# Altium PCB STB_LightBoard.PcbDoc (part 17 of 31) (continued)
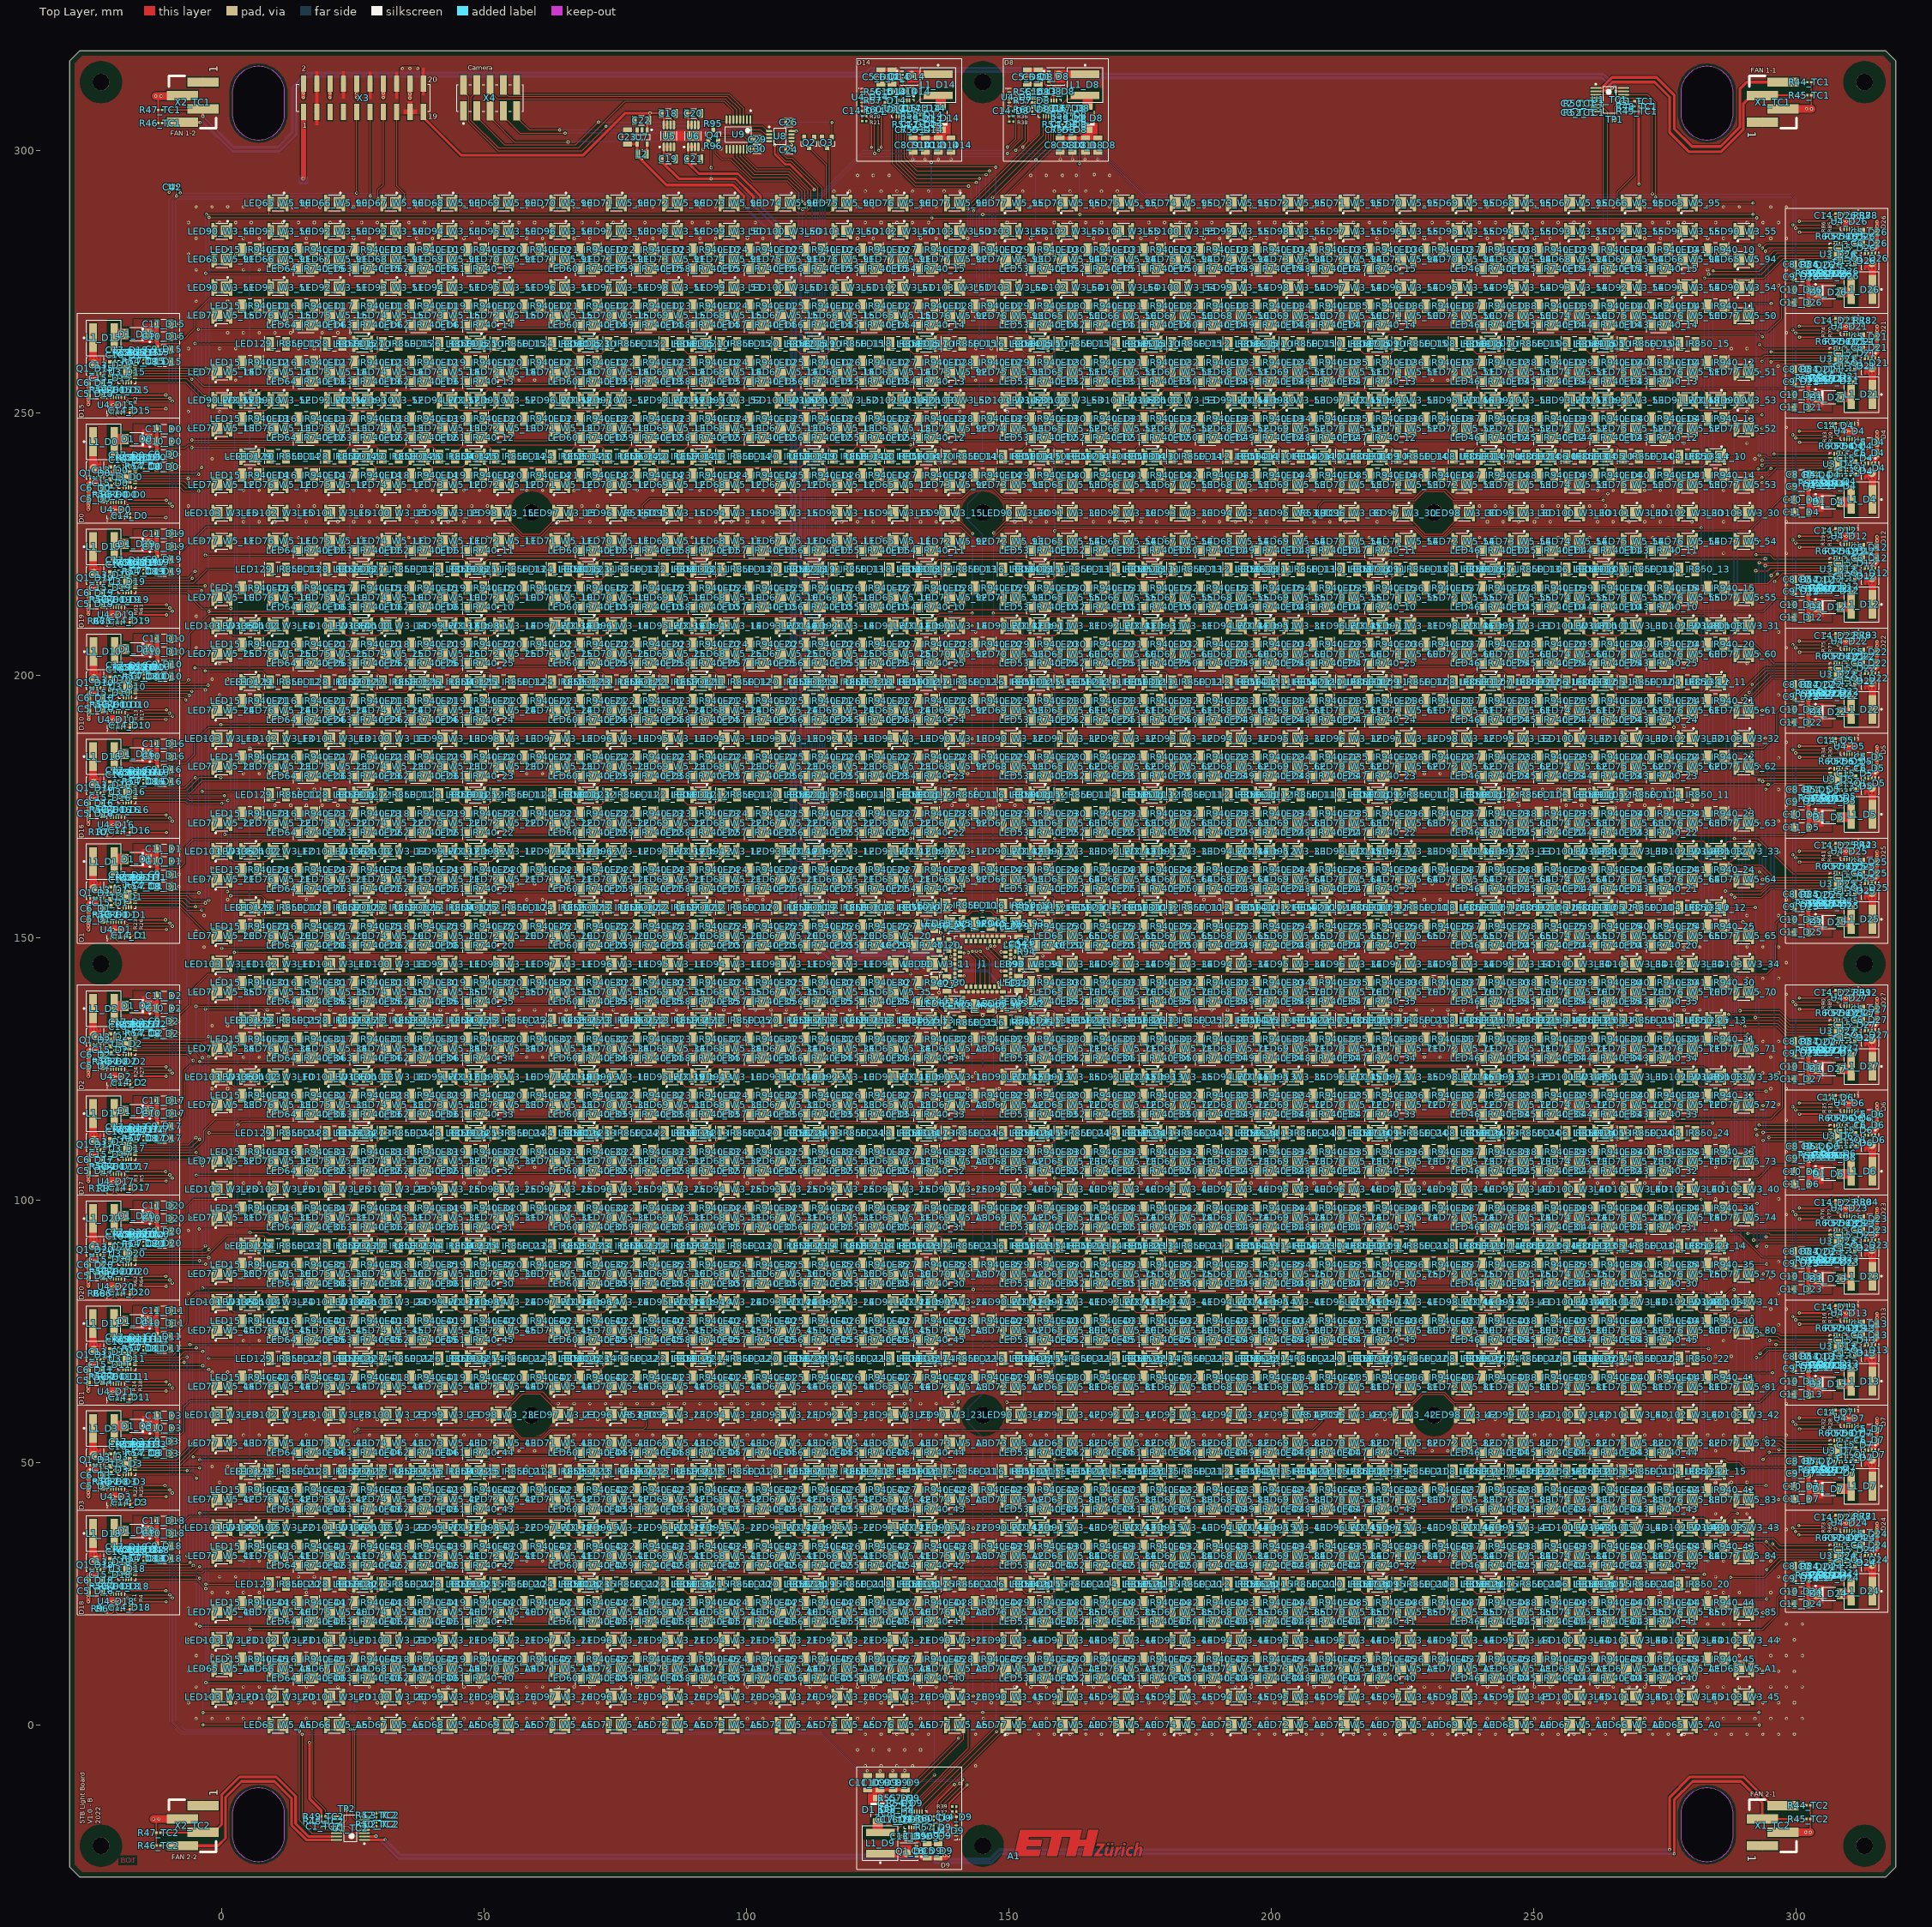
[diagram p0: Top Layer view]
## Nets (pads, with @x,y where several pads share a name; then routed paths per layer and width w, separated by ;. In a path a pad name is that pad's centre, name@x,y a point inside that pad or via, vN(x,y) a via of type N, cw(c..) or ccw(c..) an arc to the next point about the centre after c; other vN are vias at no path point) (continued)
  Top Layer w0.2: R55_D23.1@303.9,88.9 C7_D23.1@303.9,89.81 303.905,89.805 304.895,89.805 R54_D23.1@304.9,89.8 ; C12_D23.2@304.9,88.89 R54_D23.1@304.9,89.8 ; U3_D23.16@306.5,90.95 306.481,90.931 306.04,90.931 305.233,90.123 305.223,90.123 R54_D23.1@304.9,89.8
NetC7_D23_2: C7_D23.2 C8_D23.1 C9_D23.1 C10_D23.1 C11_D23.1 D1_D23.1 LED15_IR940_30.2 LED15_IR940_31.2 LED15_IR940_32.2 LED15_IR940_33.2 LED15_IR940_34.2 LED15_IR940_35.2 R54_D23.2 | length 371.5
  Top Layer w0.2: LED15_IR940_35.2@3.87,87.728 v1(5.37,87.728) ; LED15_IR940_34.2@3.87,98.469 v1(5.37,98.469) ; LED15_IR940_33.2@3.87,109.21 v1(5.37,109.21) ; LED15_IR940_32.2@3.87,119.951 v1(5.37,119.951) ; LED15_IR940_31.2@3.87,130.692 v1(5.37,130.692) ; LED15_IR940_30.2@3.87,141.433 v1(5.37,141.433) ; v1(5.4,93.796) 8.804,93.796 9.033,93.567 289.133,93.567 293.555,89.145 302.145,89.145 ; C9_D23.1@302.364,87.929 C9_D23.1@302.575,88.139 ; C8_D23.1@302.364,90.247 302.364,90.424 C8_D23.1@302.541,90.6 ; C8_D23.1@302.541,90.6 R54_D23.2@304.9,90.6 C8_D23.1@302.541,90.6
  Bottom Layer w0.2: v1(5.37,87.728) 5.385,87.743 5.385,93.781 v1(5.4,93.796) ; v1(5.37,141.433) v1(5.37,130.692) v1(5.37,119.951) v1(5.37,109.21) v1(5.37,98.469) ; v1(5.37,98.469) 5.37,93.796 v1(5.37,98.469)
NetC7_D24_1: C7_D24.1 C12_D24.2 R54_D24.1 R55_D24.1 U3_D24.16 | length 4.9
  Top Layer w0.2: R55_D24.1@303.9,28.9 C7_D24.1@303.9,29.81 303.905,29.805 304.895,29.805 R54_D24.1@304.9,29.8 ; C12_D24.2@304.9,28.89 R54_D24.1@304.9,29.8 ; U3_D24.16@306.5,30.95 306.481,30.931 306.078,30.931 305.072,29.925 305.025,29.925 R54_D24.1@304.9,29.8
NetC7_D24_2: C7_D24.2 C8_D24.1 C9_D24.1 C10_D24.1 C11_D24.1 D1_D24.1 LED15_IR940_40.2 LED15_IR940_41.2 LED15_IR940_42.2 LED15_IR940_43.2 LED15_IR940_44.2 LED15_IR940_45.2 R54_D24.2 | length 392.3
  Top Layer w0.2: LED15_IR940_45.2@3.87,12.541 v1(5.37,12.541) ; LED15_IR940_44.2@3.87,23.282 v1(5.37,23.282) ; LED15_IR940_43.2@3.87,34.023 v1(5.37,34.023) ; LED15_IR940_42.2@3.87,44.764 v1(5.37,44.764) ; LED15_IR940_41.2@3.87,66.246 v1(5.37,66.246) ; LED15_IR940_40.2@3.87,76.987 v1(5.37,76.987) ; v1(5.4,18.2) 293.6,18.2 296.5,21.1 296.5,24.3 298.848,26.648 302.29,26.648 ; C11_D24.1@302.364,22.659 C11_D24.1@302.364,23.047 ; C9_D24.1@302.364,27.929 C9_D24.1@302.575,28.14 ; C8_D24.1@302.364,30.247 302.364,30.424 C8_D24.1@302.541,30.6 ; C8_D24.1@302.541,30.6 R54_D24.2@304.9,30.6 C8_D24.1@302.541,30.6
  Bottom Layer w0.2: v1(5.37,76.987) v1(5.37,66.246) v1(5.37,44.764) v1(5.37,34.023) v1(5.37,23.282) ; v1(5.37,23.282) v1(5.37,12.541) v1(5.37,23.282)
NetC7_D25_1: C7_D25.1 C12_D25.2 R54_D25.1 R55_D25.1 U3_D25.16 | length 4.9
  Top Layer w0.2: R55_D25.1@303.9,156.9 C7_D25.1@303.9,157.81 303.902,157.808 304.903,157.808 R54_D25.1@304.905,157.806 ; C12_D25.2@304.9,156.89 304.903,156.893 304.903,157.681 304.903,157.803 R54_D25.1@304.905,157.806 ; U3_D25.16@306.5,158.95 306.481,158.931 306.074,158.931 305.074,157.931 305.03,157.931 R54_D25.1@304.905,157.806
NetC7_D25_2: C7_D25.2 C8_D25.1 C9_D25.1 C10_D25.1 C11_D25.1 D1_D25.1 LED135_b_10.2 LED135_b_11.2 LED135_b_12.2 LED135_b_13.2 LED135_b_14.2 LED135_b_15.2 R54_D25.2 | length 541.4
  Top Layer w0.2: v1(2.4,147.2) 2.472,147.272 113.248,147.272 113.483,147.037 v1(113.567,147.037) ; v1(2.454,37.6) 3.66,37.6 LED135_b_15.2@3.67,37.59 ; v1(2.454,80.6) 4.21,80.6 LED135_b_14.2@4.26,80.55 ; v1(2.454,123.6) 4.17,123.6 LED135_b_13.2@4.26,123.51 ; v1(2.454,166.5) 3.64,166.5 LED135_b_12.2@3.67,166.47 ; v1(2.454,209.4) 4.23,209.4 LED135_b_11.2@4.26,209.43 ; v1(2.454,252.4) 3.66,252.4 LED135_b_10.2@3.67,252.39 ; v1(151.4,140.9) 152.3,140.9 153.052,141.652 153.052,142.648 153.505,143.1 294.4,143.1 296.088,144.788 296.088,148.749 296.2,148.861 296.2,152.8 298.114,154.714 302.402,154.714 ; C11_D25.1@302.364,150.659 C11_D25.1@302.364,151.047 ; C8_D25.1@302.364,158.247 302.364,158.43 302.541,158.606 R54_D25.2@304.905,158.606
  Bottom Layer w0.2: v1(2.454,37.6) v1(2.454,80.6) v1(2.454,123.6) v1(2.454,166.5) v1(2.454,209.4) v1(2.454,252.4) ; v1(113.567,147.037) 113.663,147.037 115.6,145.1 135.674,145.1 137.513,143.261 137.513,142.939 137.5,142.926 137.5,142.214 138.828,140.885 151.385,140.885 v1(151.4,140.9)
NetC7_D26_1: C7_D26.1 C12_D26.2 R54_D26.1 R55_D26.1 U3_D26.16 | length 5.1
  Top Layer w0.2: R55_D26.1@303.9,276.9 C7_D26.1@303.9,277.81 303.905,277.805 304.895,277.805 R54_D26.1@304.9,277.8 ; C12_D26.2@304.9,276.642 C12_D26.2@304.9,276.89 R54_D26.1@304.9,277.8 ; U3_D26.16@306.5,278.95 306.481,278.931 306.045,278.931 305.039,277.925 305.025,277.925 R54_D26.1@304.9,277.8
NetC7_D26_2: C7_D26.2 C8_D26.1 C9_D26.1 C10_D26.1 C11_D26.1 D1_D26.1 LED78_g_10.2 LED78_g_11.2 LED78_g_12.2 LED78_g_13.2 LED78_g_14.2 LED78_g_15.2 R54_D26.2 | length 536.6
  Top Layer w0.2: v1(24.47,26.85) LED78_g_15.2@25.152,26.85 LED78_g_15.2@25.742,26.85 ; v1(24.47,69.81) LED78_g_14.2@25.152,69.81 LED78_g_14.2@25.742,69.81 ; v1(24.47,112.77) LED78_g_13.2@25.152,112.77 LED78_g_13.2@25.742,112.77 ; v1(24.47,177.21) LED78_g_12.2@25.152,177.21 LED78_g_12.2@25.742,177.21 ; v1(24.47,220.17) LED78_g_11.2@25.152,220.17 LED78_g_11.2@25.742,220.17 ; v1(24.47,263.13) LED78_g_10.2@25.152,263.13 LED78_g_10.2@25.742,263.13 ; v1(24.488,265.218) 24.597,265.218 24.802,265.423 276.811,265.423 276.821,265.433 294.634,265.433 297.2,267.998 297.2,273.8 298.2,274.8 302.2,274.8 ; C11_D26.1@302.364,270.659 C11_D26.1@302.364,271.047 ; C8_D26.1@302.364,278.247 302.364,278.424 C8_D26.1@302.541,278.6 ; C8_D26.1@302.541,278.6 R54_D26.2@304.9,278.6 C8_D26.1@302.541,278.6
  Bottom Layer w0.2: v1(24.47,26.85) v1(24.47,69.81) v1(24.47,112.77) v1(24.47,177.21) v1(24.47,220.17) v1(24.47,263.13) 24.479,263.139 24.479,265.209 v1(24.488,265.218)
NetC7_D27_1: C7_D27.1 C12_D27.2 R54_D27.1 R55_D27.1 U3_D27.16 | length 4.9
  Top Layer w0.2: R55_D27.1@303.9,128.9 C7_D27.1@303.9,129.81 303.905,129.805 304.895,129.805 R54_D27.1@304.9,129.8 C12_D27.2@304.9,128.89 ; U3_D27.16@306.5,130.95 306.481,130.931 306.044,130.931 305.038,129.925 305.025,129.925 R54_D27.1@304.913,129.813 ; R54_D27.1@304.913,129.813 304.913,129.8 R54_D27.1@304.913,129.813
NetC7_D27_2: C7_D27.2 C8_D27.1 C9_D27.1 C10_D27.1 C11_D27.1 D1_D27.1 LED1_r_10.2 LED1_r_11.2 LED1_r_12.2 LED1_r_13.2 LED1_r_14.2 LED1_r_15.2 R54_D27.2 | length 571.8
  Top Layer w0.2: v1(3.008,198.7) 3.66,198.7 LED1_r_11.2@3.67,198.69 ; v1(3.008,241.6) 3.62,241.6 LED1_r_10.2@3.67,241.65 ; v1(3.035,134.25) LED1_r_13.2@3.67,134.25 LED1_r_13.2@4.26,134.25 ; v1(3.1,114.3) 3.849,115.049 276.649,115.049 277.1,115.5 295.2,115.5 296.7,117 296.705,117 297.4,117.695 297.4,126 298.114,126.714 302.402,126.714 ; LED1_r_15.2@4.26,48.33 LED1_r_15.2@4.23,48.3 ; LED1_r_14.2@4.26,91.29 LED1_r_14.2@4.25,91.3 ; LED1_r_12.2@4.26,155.73 LED1_r_12.2@4.23,155.7 ; C11_D27.1@302.364,122.659 C11_D27.1@302.364,123.047 ; C9_D27.1@302.364,127.929 C9_D27.1@302.575,128.14 ; C8_D27.1@302.364,130.247 302.364,130.424 C8_D27.1@302.541,130.6 ; LED1_r_15.2@4.23,48.3 v1(3.008,48.3) LED1_r_15.2@4.23,48.3 ; LED1_r_12.2@4.23,155.7 v1(3.008,155.7) LED1_r_12.2@4.23,155.7 ; LED1_r_14.2@4.25,91.3 v1(3.1,91.3) LED1_r_14.2@4.25,91.3 ; C8_D27.1@302.541,130.6 R54_D27.2@304.9,130.6 C8_D27.1@302.541,130.6
  Bottom Layer w0.2: v1(3.008,48.3) 3.05,48.342 3.05,91.25 v1(3.1,91.3) v1@3.067,91.333 ; v1(3.008,155.7) 3,155.708 3,166.263 3.008,166.271 3.008,182.388 3,182.396 3,198.692 v1(3.008,198.7) ; 3,209.163 3,198.7 3,209.163 ; 3,209.163 3.008,209.171 3.008,225.288 3,225.296 v1@3,241.592 ; v1@3,241.592 v1(3.008,241.6) v1@3,241.592 ; v1@3.022,155.678 3.004,155.696 v1@3.022,155.678 ; v1@3.022,155.678 3.022,134.264 v1@3.067,134.217 ; v1@3.067,91.333 v1@3.067,134.217 ; v1@3.067,91.333 v1@3.067,134.217
NetC15_D0_2: C15_D0.2 U3_D0.4 | length 1.5
  Top Layer w0.2: C15_D0.2@-20.975,237.55 U3_D0.4@-19.5,237.55
NetC15_D1_2: C15_D1.2 U3_D1.4 | length 1.8
  Top Layer w0.2: C15_D1.2@-21.225,157.3 -20.975,157.55 U3_D1.4@-19.5,157.55
NetC15_D2_2: C15_D2.2 U3_D2.4 | length 1.8
  Top Layer w0.2: C15_D2.2@-21.225,129.3 -20.975,129.55 U3_D2.4@-19.5,129.55
NetC15_D3_2: C15_D3.2 U3_D3.4 | length 1.8
  Top Layer w0.2: C15_D3.2@-21.225,49.3 -20.975,49.55 U3_D3.4@-19.5,49.55
NetC15_D4_2: C15_D4.2 U3_D4.4 | length 1.8
  Top Layer w0.2: U3_D4.4@309.5,240.45 310.975,240.45 C15_D4.2@311.225,240.7
NetC15_D5_2: C15_D5.2 U3_D5.4 | length 1.8
  Top Layer w0.2: U3_D5.4@309.5,180.45 310.975,180.45 C15_D5.2@311.225,180.7
NetC15_D6_2: C15_D6.2 U3_D6.4 | length 1.8
  Top Layer w0.2: U3_D6.4@309.5,112.45 310.975,112.45 C15_D6.2@311.225,112.7
NetC15_D7_2: C15_D7.2 U3_D7.4 | length 1.8
  Top Layer w0.2: U3_D7.4@309.5,52.45 310.975,52.45 C15_D7.2@311.225,52.7
NetC15_D8_2: C15_D8.2 U3_D8.4 | length 1.8
  Top Layer w0.2: C15_D8.2@157.3,311.225 157.55,310.975 U3_D8.4@157.55,309.5
NetC15_D9_2: C15_D9.2 U3_D9.4 | length 1.8
  Top Layer w0.2: U3_D9.4@132.45,-19.5 132.45,-20.975 C15_D9.2@132.7,-21.225
NetC15_D10_2: C15_D10.2 U3_D10.4 | length 1.8
  Top Layer w0.2: C15_D10.2@-21.167,197.3 -20.917,197.55 U3_D10.4@-19.442,197.55
NetC15_D11_2: C15_D11.2 U3_D11.4 | length 1.8
  Top Layer w0.2: C15_D11.2@-21.267,69.3 -21.017,69.55 U3_D11.4@-19.542,69.55
NetC15_D12_2: C15_D12.2 U3_D12.4 | length 1.8
  Top Layer w0.2: U3_D12.4@309.5,220.45 310.975,220.45 C15_D12.2@311.225,220.7
NetC15_D13_2: C15_D13.2 U3_D13.4 | length 1.8
  Top Layer w0.2: U3_D13.4@309.5,72.45 310.975,72.45 C15_D13.2@311.225,72.7
NetC15_D14_2: C15_D14.2 U3_D14.4 | length 1.8
  Top Layer w0.2: C15_D14.2@129.3,311.225 129.55,310.975 U3_D14.4@129.55,309.5
NetC15_D15_2: C15_D15.2 U3_D15.4 | length 1.8
  Top Layer w0.2: C15_D15.2@-21.225,257.3 -20.975,257.55 U3_D15.4@-19.5,257.55
NetC15_D16_2: C15_D16.2 U3_D16.4 | length 1.8
  Top Layer w0.2: C15_D16.2@-21.225,177.3 -20.975,177.55 U3_D16.4@-19.5,177.55
NetC15_D17_2: C15_D17.2 U3_D17.4 | length 1.8
  Top Layer w0.2: C15_D17.2@-21.225,109.3 -20.975,109.55 U3_D17.4@-19.5,109.55
NetC15_D18_2: C15_D18.2 U3_D18.4 | length 1.8
  Top Layer w0.2: C15_D18.2@-21.225,29.3 -20.975,29.55 U3_D18.4@-19.5,29.55
NetC15_D19_2: C15_D19.2 U3_D19.4 | length 1.8
  Top Layer w0.2: C15_D19.2@-21.225,217.3 -20.975,217.55 U3_D19.4@-19.5,217.55
NetC15_D20_2: C15_D20.2 U3_D20.4 | length 1.8
  Top Layer w0.2: C15_D20.2@-21.225,89.3 -20.975,89.55 U3_D20.4@-19.5,89.55
NetC15_D21_2: C15_D21.2 U3_D21.4 | length 1.8
  Top Layer w0.2: U3_D21.4@309.5,260.45 310.975,260.45 C15_D21.2@311.225,260.7
NetC15_D22_2: C15_D22.2 U3_D22.4 | length 1.8
  Top Layer w0.2: U3_D22.4@309.5,200.45 310.975,200.45 C15_D22.2@311.225,200.7
NetC15_D23_2: C15_D23.2 U3_D23.4 | length 1.8
  Top Layer w0.2: U3_D23.4@309.5,92.45 310.975,92.45 C15_D23.2@311.225,92.7
NetC15_D24_2: C15_D24.2 U3_D24.4 | length 1.8
  Top Layer w0.2: U3_D24.4@309.5,32.45 310.975,32.45 C15_D24.2@311.225,32.7
NetC15_D25_2: C15_D25.2 U3_D25.4 | length 1.8
  Top Layer w0.2: U3_D25.4@309.5,160.45 310.975,160.45 C15_D25.2@311.225,160.7
NetC15_D26_2: C15_D26.2 U3_D26.4 | length 1.8
  Top Layer w0.2: U3_D26.4@309.5,280.45 310.975,280.45 C15_D26.2@311.225,280.7
NetC15_D27_2: C15_D27.2 U3_D27.4 | length 1.8
  Top Layer w0.2: U3_D27.4@309.5,132.45 310.975,132.45 C15_D27.2@311.225,132.7
NetC16_D0_2: C16_D0.2 R58_D0.2 U3_D0.18 | length 2.2
  Top Layer w0.2: U3_D0.18@-17.75,239.8 -17.731,239.819 -17.731,240.94 C16_D0.2@-17.61,241.06 -17.601,241.07 -16.759,241.07 R58_D0.2@-16.75,241.079
NetC16_D1_2: C16_D1.2 R58_D1.2 U3_D1.18 | length 2.2
  Top Layer w0.2: U3_D1.18@-17.75,159.8 -17.731,159.819 -17.731,160.94 C16_D1.2@-17.61,161.061 -17.601,161.07 -16.759,161.07 R58_D1.2@-16.75,161.079
NetC16_D2_2: C16_D2.2 R58_D2.2 U3_D2.18 | length 2.2
  Top Layer w0.2: U3_D2.18@-17.75,131.8 -17.731,131.819 -17.731,132.94 C16_D2.2@-17.61,133.061 -17.601,133.07 -16.759,133.07 R58_D2.2@-16.75,133.079
NetC16_D3_2: C16_D3.2 R58_D3.2 U3_D3.18 | length 2.2
  Top Layer w0.2: U3_D3.18@-17.75,51.8 -17.731,51.819 -17.731,52.94 C16_D3.2@-17.61,53.061 -17.601,53.07 -16.759,53.07 R58_D3.2@-16.75,53.079
NetC16_D4_2: C16_D4.2 R58_D4.2 U3_D4.18 | length 2.2
  Top Layer w0.2: R58_D4.2@306.75,236.921 306.759,236.93 307.601,236.93 C16_D4.2@307.61,236.939 307.731,237.06 307.731,238.181 U3_D4.18@307.75,238.2
NetC16_D5_2: C16_D5.2 R58_D5.2 U3_D5.18 | length 2.2
  Top Layer w0.2: R58_D5.2@306.75,176.921 306.759,176.93 307.601,176.93 C16_D5.2@307.61,176.939 307.731,177.06 307.731,178.181 U3_D5.18@307.75,178.2
NetC16_D6_2: C16_D6.2 R58_D6.2 U3_D6.18 | length 2.2
  Top Layer w0.2: R58_D6.2@306.75,108.921 306.759,108.93 307.601,108.93 C16_D6.2@307.61,108.939 307.731,109.06 307.731,110.181 U3_D6.18@307.75,110.2
NetC16_D7_2: C16_D7.2 R58_D7.2 U3_D7.18 | length 2.2
  Top Layer w0.2: R58_D7.2@306.75,48.921 306.759,48.93 307.601,48.93 C16_D7.2@307.61,48.94 307.731,49.06 307.731,50.181 U3_D7.18@307.75,50.2
NetC16_D8_2: C16_D8.2 R58_D8.2 U3_D8.18 | length 2.2
  Top Layer w0.2: U3_D8.18@159.8,307.75 159.819,307.731 160.94,307.731 C16_D8.2@161.06,307.61 161.07,307.601 161.07,306.759 R58_D8.2@161.079,306.75
NetC16_D9_2: C16_D9.2 R58_D9.2 U3_D9.18 | length 2.2
  Top Layer w0.2: R58_D9.2@128.921,-16.75 128.93,-16.759 128.93,-17.601 C16_D9.2@128.939,-17.61 129.06,-17.731 130.181,-17.731 U3_D9.18@130.2,-17.75
NetC16_D10_2: C16_D10.2 R58_D10.2 U3_D10.18 | length 2.2
  Top Layer w0.2: U3_D10.18@-17.692,199.8 -17.673,199.819 -17.673,200.94 C16_D10.2@-17.552,201.06 -17.543,201.07 -16.701,201.07 R58_D10.2@-16.692,201.079
NetC16_D11_2: C16_D11.2 R58_D11.2 U3_D11.18 | length 2.2
  Top Layer w0.2: U3_D11.18@-17.792,71.8 -17.773,71.819 -17.773,72.94 C16_D11.2@-17.652,73.06 -17.643,73.07 -16.801,73.07 R58_D11.2@-16.792,73.079
NetC16_D12_2: C16_D12.2 R58_D12.2 U3_D12.18 | length 2.2
  Top Layer w0.2: R58_D12.2@306.75,216.921 306.759,216.93 307.601,216.93 C16_D12.2@307.61,216.939 307.731,217.06 307.731,218.181 U3_D12.18@307.75,218.2
NetC16_D13_2: C16_D13.2 R58_D13.2 U3_D13.18 | length 2.2
  Top Layer w0.2: R58_D13.2@306.75,68.921 306.759,68.93 307.601,68.93 C16_D13.2@307.61,68.94 307.731,69.06 307.731,70.181 U3_D13.18@307.75,70.2
NetC16_D14_2: C16_D14.2 R58_D14.2 U3_D14.18 | length 2.2
  Top Layer w0.2: U3_D14.18@131.8,307.75 131.819,307.731 132.94,307.731 C16_D14.2@133.06,307.61 133.07,307.601 133.07,306.759 R58_D14.2@133.079,306.75
NetC16_D15_2: C16_D15.2 R58_D15.2 U3_D15.18 | length 2.2
  Top Layer w0.2: U3_D15.18@-17.75,259.8 -17.731,259.819 -17.731,260.94 C16_D15.2@-17.61,261.061 -17.601,261.07 -16.759,261.07 R58_D15.2@-16.75,261.079
NetC16_D16_2: C16_D16.2 R58_D16.2 U3_D16.18 | length 2.2
  Top Layer w0.2: U3_D16.18@-17.75,179.8 -17.731,179.819 -17.731,180.94 C16_D16.2@-17.61,181.061 -17.601,181.07 -16.759,181.07 R58_D16.2@-16.75,181.079
NetC16_D17_2: C16_D17.2 R58_D17.2 U3_D17.18 | length 2.2
  Top Layer w0.2: U3_D17.18@-17.75,111.8 -17.731,111.819 -17.731,112.94 C16_D17.2@-17.61,113.06 -17.601,113.07 -16.759,113.07 R58_D17.2@-16.75,113.079
NetC16_D18_2: C16_D18.2 R58_D18.2 U3_D18.18 | length 2.2
  Top Layer w0.2: U3_D18.18@-17.75,31.8 -17.731,31.819 -17.731,32.94 C16_D18.2@-17.61,33.061 -17.601,33.07 -16.759,33.07 R58_D18.2@-16.75,33.079
NetC16_D19_2: C16_D19.2 R58_D19.2 U3_D19.18 | length 2.2
  Top Layer w0.2: U3_D19.18@-17.75,219.8 -17.731,219.819 -17.731,220.94 C16_D19.2@-17.61,221.06 -17.601,221.07 -16.759,221.07 R58_D19.2@-16.75,221.079
NetC16_D20_2: C16_D20.2 R58_D20.2 U3_D20.18 | length 2.2
  Top Layer w0.2: U3_D20.18@-17.75,91.8 -17.731,91.819 -17.731,92.94 C16_D20.2@-17.61,93.06 -17.601,93.07 -16.759,93.07 R58_D20.2@-16.75,93.079
NetC16_D21_2: C16_D21.2 R58_D21.2 U3_D21.18 | length 2.2
  Top Layer w0.2: R58_D21.2@306.75,256.921 306.759,256.93 307.601,256.93 C16_D21.2@307.61,256.94 307.731,257.06 307.731,258.181 U3_D21.18@307.75,258.2
NetC16_D22_2: C16_D22.2 R58_D22.2 U3_D22.18 | length 2.2
  Top Layer w0.2: R58_D22.2@306.75,196.921 306.759,196.93 307.601,196.93 C16_D22.2@307.61,196.94 307.731,197.06 307.731,198.181 U3_D22.18@307.75,198.2
NetC16_D23_2: C16_D23.2 R58_D23.2 U3_D23.18 | length 2.2
  Top Layer w0.2: R58_D23.2@306.75,88.921 306.759,88.93 307.601,88.93 C16_D23.2@307.61,88.939 307.731,89.06 307.731,90.181 U3_D23.18@307.75,90.2
NetC16_D24_2: C16_D24.2 R58_D24.2 U3_D24.18 | length 2.2
  Top Layer w0.2: R58_D24.2@306.75,28.921 306.759,28.93 307.601,28.93 C16_D24.2@307.61,28.94 307.731,29.06 307.731,30.181 U3_D24.18@307.75,30.2
NetC16_D25_2: C16_D25.2 R58_D25.2 U3_D25.18 | length 2.2
  Top Layer w0.2: R58_D25.2@306.75,156.921 306.759,156.93 307.601,156.93 C16_D25.2@307.61,156.939 307.731,157.06 307.731,158.181 U3_D25.18@307.75,158.2
NetC16_D26_2: C16_D26.2 R58_D26.2 U3_D26.18 | length 2.2
  Top Layer w0.2: R58_D26.2@306.75,276.921 306.759,276.93 307.601,276.93 C16_D26.2@307.61,276.94 307.731,277.06 307.731,278.181 U3_D26.18@307.75,278.2
NetC16_D27_2: C16_D27.2 R58_D27.2 U3_D27.18 | length 2.2
  Top Layer w0.2: R58_D27.2@306.75,128.921 306.759,128.93 307.601,128.93 C16_D27.2@307.61,128.94 307.731,129.06 307.731,130.181 U3_D27.18@307.75,130.2
NetC17_D0_2: C17_D0.2 R58_D0.1 | length 0.9
  Top Layer w0.2: C17_D0.2@-17.608,241.918 -17.589,241.899 -16.769,241.899 R58_D0.1@-16.75,241.879
NetC17_D1_2: C17_D1.2 R58_D1.1 | length 0.9
  Top Layer w0.2: C17_D1.2@-17.608,161.918 -17.589,161.899 -16.769,161.899 R58_D1.1@-16.75,161.879
NetC17_D2_2: C17_D2.2 R58_D2.1 | length 0.9
  Top Layer w0.2: C17_D2.2@-17.608,133.918 -17.589,133.899 -16.769,133.899 R58_D2.1@-16.75,133.879
NetC17_D3_2: C17_D3.2 R58_D3.1 | length 0.9
  Top Layer w0.2: C17_D3.2@-17.608,53.918 -17.589,53.899 -16.769,53.899 R58_D3.1@-16.75,53.879
NetC17_D4_2: C17_D4.2 R58_D4.1 | length 0.9
  Top Layer w0.2: R58_D4.1@306.75,236.121 306.769,236.101 307.589,236.101 C17_D4.2@307.608,236.082
NetC17_D5_2: C17_D5.2 R58_D5.1 | length 0.9
  Top Layer w0.2: R58_D5.1@306.75,176.121 306.769,176.101 307.589,176.101 C17_D5.2@307.608,176.082
NetC17_D6_2: C17_D6.2 R58_D6.1 | length 0.9
  Top Layer w0.2: R58_D6.1@306.75,108.121 306.769,108.102 307.589,108.102 C17_D6.2@307.608,108.082
NetC17_D7_2: C17_D7.2 R58_D7.1 | length 0.9
  Top Layer w0.2: R58_D7.1@306.75,48.121 306.769,48.101 307.589,48.101 C17_D7.2@307.608,48.082
NetC17_D8_2: C17_D8.2 R58_D8.1 | length 0.9
  Top Layer w0.2: R58_D8.1@161.879,306.75 161.899,306.769 161.899,307.589 C17_D8.2@161.918,307.608
NetC17_D9_2: C17_D9.2 R58_D9.1 | length 0.9
  Top Layer w0.2: C17_D9.2@128.082,-17.608 128.101,-17.589 128.101,-16.769 R58_D9.1@128.121,-16.75
NetC17_D10_2: C17_D10.2 R58_D10.1 | length 0.9
  Top Layer w0.2: C17_D10.2@-17.55,201.918 -17.531,201.899 -16.711,201.899 R58_D10.1@-16.692,201.879
NetC17_D11_2: C17_D11.2 R58_D11.1 | length 0.8
  Top Layer w0.2: C17_D11.2@-17.631,73.899 -16.811,73.899 R58_D11.1@-16.792,73.879
NetC17_D12_2: C17_D12.2 R58_D12.1 | length 0.9
  Top Layer w0.2: R58_D12.1@306.75,216.121 306.769,216.101 307.589,216.101 C17_D12.2@307.608,216.082
NetC17_D13_2: C17_D13.2 R58_D13.1 | length 0.9
  Top Layer w0.2: R58_D13.1@306.75,68.121 306.769,68.101 307.589,68.101 C17_D13.2@307.608,68.082
NetC17_D14_2: C17_D14.2 R58_D14.1 | length 0.9
  Top Layer w0.2: R58_D14.1@133.879,306.75 133.899,306.769 133.899,307.589 C17_D14.2@133.918,307.608
NetC17_D15_2: C17_D15.2 R58_D15.1 | length 0.9
  Top Layer w0.2: C17_D15.2@-17.608,261.918 -17.589,261.899 -16.769,261.899 R58_D15.1@-16.75,261.879
NetC17_D16_2: C17_D16.2 R58_D16.1 | length 0.9
  Top Layer w0.2: C17_D16.2@-17.608,181.918 -17.589,181.899 -16.769,181.899 R58_D16.1@-16.75,181.879
NetC17_D17_2: C17_D17.2 R58_D17.1 | length 0.8
  Top Layer w0.2: C17_D17.2@-17.589,113.898 -16.769,113.898 R58_D17.1@-16.75,113.879
NetC17_D18_2: C17_D18.2 R58_D18.1 | length 0.9
  Top Layer w0.2: C17_D18.2@-17.608,33.918 -17.589,33.899 -16.769,33.899 R58_D18.1@-16.75,33.879
NetC17_D19_2: C17_D19.2 R58_D19.1 | length 0.9
  Top Layer w0.2: C17_D19.2@-17.608,221.918 -17.589,221.899 -16.769,221.899 R58_D19.1@-16.75,221.879
NetC17_D20_2: C17_D20.2 R58_D20.1 | length 0.8
  Top Layer w0.2: C17_D20.2@-17.589,93.899 R58_D20.1@-16.769,93.899
NetC17_D21_2: C17_D21.2 R58_D21.1 | length 0.9
  Top Layer w0.2: R58_D21.1@306.75,256.121 306.769,256.102 307.589,256.102 C17_D21.2@307.608,256.082
NetC17_D22_2: C17_D22.2 R58_D22.1 | length 0.9
  Top Layer w0.2: R58_D22.1@306.75,196.121 306.769,196.101 307.589,196.101 C17_D22.2@307.608,196.082
NetC17_D23_2: C17_D23.2 R58_D23.1 | length 0.9
  Top Layer w0.2: R58_D23.1@306.75,88.121 306.769,88.101 307.589,88.101 C17_D23.2@307.608,88.082
NetC17_D24_2: C17_D24.2 R58_D24.1 | length 0.9
  Top Layer w0.2: R58_D24.1@306.75,28.121 306.769,28.102 307.589,28.102 C17_D24.2@307.608,28.082
NetC17_D25_2: C17_D25.2 R58_D25.1 | length 0.9
  Top Layer w0.2: R58_D25.1@306.75,156.121 306.769,156.101 307.589,156.101 C17_D25.2@307.608,156.082
NetC17_D26_2: C17_D26.2 R58_D26.1 | length 0.9
  Top Layer w0.2: R58_D26.1@306.75,276.121 306.769,276.101 307.589,276.101 C17_D26.2@307.608,276.082
NetC17_D27_2: C17_D27.2 R58_D27.1 | length 0.9
  Top Layer w0.2: R58_D27.1@306.75,128.121 306.769,128.102 307.589,128.102 C17_D27.2@307.608,128.082
NetD1_D0_2: D1_D0.2 L1_D0.2 U3_D0.20 | length 5.4
  Top Layer w0.2: L1_D0.2@-20.46,244.5 -19.852,243.892 -19.852,241.152 -18.75,240.05 U3_D0.20@-18.75,239.8
NetD1_D1_2: D1_D1.2 L1_D1.2 U3_D1.20 | length 5.4
  Top Layer w0.2: L1_D1.2@-20.46,164.5 -19.852,163.892 -19.852,161.152 -18.75,160.05 U3_D1.20@-18.75,159.8
NetD1_D2_2: D1_D2.2 L1_D2.2 U3_D2.20 | length 5.4
  Top Layer w0.2: L1_D2.2@-20.46,136.5 -19.852,135.892 -19.852,133.152 -18.75,132.05 U3_D2.20@-18.75,131.8
NetD1_D3_2: D1_D3.2 L1_D3.2 U3_D3.20 | length 5.4
  Top Layer w0.2: L1_D3.2@-20.46,56.5 -19.852,55.892 -19.852,53.152 -18.75,52.05 U3_D3.20@-18.75,51.8
NetD1_D4_2: D1_D4.2 L1_D4.2 U3_D4.20 | length 5.4
  Top Layer w0.2: U3_D4.20@308.75,238.2 308.75,237.95 309.852,236.848 309.852,234.108 L1_D4.2@310.46,233.5
NetD1_D5_2: D1_D5.2 L1_D5.2 U3_D5.20 | length 5.4
  Top Layer w0.2: U3_D5.20@308.75,178.2 308.75,177.95 309.852,176.848 309.852,174.108 L1_D5.2@310.46,173.5
NetD1_D6_2: D1_D6.2 L1_D6.2 U3_D6.20 | length 5.4
  Top Layer w0.2: U3_D6.20@308.75,110.2 308.75,109.95 309.852,108.848 309.852,106.108 L1_D6.2@310.46,105.5
NetD1_D7_2: D1_D7.2 L1_D7.2 U3_D7.20 | length 5.4
  Top Layer w0.2: U3_D7.20@308.75,50.2 308.75,49.95 309.852,48.848 309.852,46.108 L1_D7.2@310.46,45.5
NetD1_D8_2: D1_D8.2 L1_D8.2 U3_D8.20 | length 5.4
  Top Layer w0.2: U3_D8.20@159.8,308.75 160.05,308.75 161.152,309.852 163.892,309.852 L1_D8.2@164.5,310.46
NetD1_D9_2: D1_D9.2 L1_D9.2 U3_D9.20 | length 5.4
  Top Layer w0.2: L1_D9.2@125.5,-20.46 126.108,-19.852 128.848,-19.852 129.95,-18.75 U3_D9.20@130.2,-18.75
NetD1_D10_2: D1_D10.2 L1_D10.2 U3_D10.20 | length 5.4
  Top Layer w0.2: L1_D10.2@-20.402,204.5 -19.794,203.892 -19.794,201.152 -18.692,200.05 U3_D10.20@-18.692,199.8
NetD1_D11_2: D1_D11.2 L1_D11.2 U3_D11.20 | length 5.4
  Top Layer w0.2: L1_D11.2@-20.502,76.5 -19.894,75.892 -19.894,73.152 -18.792,72.05 U3_D11.20@-18.792,71.8
NetD1_D12_2: D1_D12.2 L1_D12.2 U3_D12.20 | length 5.4
  Top Layer w0.2: U3_D12.20@308.75,218.2 308.75,217.95 309.852,216.848 309.852,214.108 L1_D12.2@310.46,213.5
NetD1_D13_2: D1_D13.2 L1_D13.2 U3_D13.20 | length 5.4
  Top Layer w0.2: U3_D13.20@308.75,70.2 308.75,69.95 309.852,68.848 309.852,66.108 L1_D13.2@310.46,65.5
NetD1_D14_2: D1_D14.2 L1_D14.2 U3_D14.20 | length 5.4
  Top Layer w0.2: U3_D14.20@131.8,308.75 132.05,308.75 133.152,309.852 135.892,309.852 L1_D14.2@136.5,310.46
NetD1_D15_2: D1_D15.2 L1_D15.2 U3_D15.20 | length 5.4
  Top Layer w0.2: L1_D15.2@-20.46,264.5 -19.852,263.892 -19.852,261.152 -18.75,260.05 U3_D15.20@-18.75,259.8
NetD1_D16_2: D1_D16.2 L1_D16.2 U3_D16.20 | length 5.4
  Top Layer w0.2: L1_D16.2@-20.46,184.5 -19.852,183.892 -19.852,181.152 -18.75,180.05 U3_D16.20@-18.75,179.8
NetD1_D17_2: D1_D17.2 L1_D17.2 U3_D17.20 | length 5.4
  Top Layer w0.2: L1_D17.2@-20.46,116.5 -19.852,115.892 -19.852,113.152 -18.75,112.05 U3_D17.20@-18.75,111.8
NetD1_D18_2: D1_D18.2 L1_D18.2 U3_D18.20 | length 5.4
  Top Layer w0.2: L1_D18.2@-20.46,36.5 -19.852,35.892 -19.852,33.152 -18.75,32.05 U3_D18.20@-18.75,31.8
NetD1_D19_2: D1_D19.2 L1_D19.2 U3_D19.20 | length 5.4
  Top Layer w0.2: L1_D19.2@-20.46,224.5 -19.852,223.892 -19.852,221.152 -18.75,220.05 U3_D19.20@-18.75,219.8
NetD1_D20_2: D1_D20.2 L1_D20.2 U3_D20.20 | length 5.4
  Top Layer w0.2: L1_D20.2@-20.46,96.5 -19.852,95.892 -19.852,93.152 -18.75,92.05 U3_D20.20@-18.75,91.8
NetD1_D21_2: D1_D21.2 L1_D21.2 U3_D21.20 | length 5.4
  Top Layer w0.2: U3_D21.20@308.75,258.2 308.75,257.95 309.852,256.848 309.852,254.108 L1_D21.2@310.46,253.5
NetD1_D22_2: D1_D22.2 L1_D22.2 U3_D22.20 | length 5.4
  Top Layer w0.2: U3_D22.20@308.75,198.2 308.75,197.95 309.852,196.848 309.852,194.108 L1_D22.2@310.46,193.5
NetD1_D23_2: D1_D23.2 L1_D23.2 U3_D23.20 | length 5.4
  Top Layer w0.2: U3_D23.20@308.75,90.2 308.75,89.95 309.852,88.848 309.852,86.108 L1_D23.2@310.46,85.5
NetD1_D24_2: D1_D24.2 L1_D24.2 U3_D24.20 | length 5.4
  Top Layer w0.2: U3_D24.20@308.75,30.2 308.75,29.95 309.852,28.848 309.852,26.108 L1_D24.2@310.46,25.5
NetD1_D25_2: D1_D25.2 L1_D25.2 U3_D25.20 | length 5.4
  Top Layer w0.2: U3_D25.20@308.75,158.2 308.75,157.95 309.852,156.848 309.852,154.108 L1_D25.2@310.46,153.5
NetD1_D26_2: D1_D26.2 L1_D26.2 U3_D26.20 | length 5.4
  Top Layer w0.2: U3_D26.20@308.75,278.2 308.75,277.95 309.852,276.848 309.852,274.108 L1_D26.2@310.46,273.5
NetD1_D27_2: D1_D27.2 L1_D27.2 U3_D27.20 | length 5.4
  Top Layer w0.2: U3_D27.20@308.75,130.2 308.75,129.95 309.852,128.848 309.852,126.108 L1_D27.2@310.46,125.5
NetL1_D0_1: L1_D0.1 Q1_D0.5-6-7-8
NetL1_D1_1: L1_D1.1 Q1_D1.5-6-7-8
NetL1_D2_1: L1_D2.1 Q1_D2.5-6-7-8
NetL1_D3_1: L1_D3.1 Q1_D3.5-6-7-8
NetL1_D4_1: L1_D4.1 Q1_D4.5-6-7-8
NetL1_D5_1: L1_D5.1 Q1_D5.5-6-7-8
NetL1_D6_1: L1_D6.1 Q1_D6.5-6-7-8
NetL1_D7_1: L1_D7.1 Q1_D7.5-6-7-8
NetL1_D8_1: L1_D8.1 Q1_D8.5-6-7-8
NetL1_D9_1: L1_D9.1 Q1_D9.5-6-7-8
NetL1_D10_1: L1_D10.1 Q1_D10.5-6-7-8
NetL1_D11_1: L1_D11.1 Q1_D11.5-6-7-8
NetL1_D12_1: L1_D12.1 Q1_D12.5-6-7-8
NetL1_D13_1: L1_D13.1 Q1_D13.5-6-7-8
NetL1_D14_1: L1_D14.1 Q1_D14.5-6-7-8
NetL1_D15_1: L1_D15.1 Q1_D15.5-6-7-8
NetL1_D16_1: L1_D16.1 Q1_D16.5-6-7-8
NetL1_D17_1: L1_D17.1 Q1_D17.5-6-7-8
NetL1_D18_1: L1_D18.1 Q1_D18.5-6-7-8
NetL1_D19_1: L1_D19.1 Q1_D19.5-6-7-8
NetL1_D20_1: L1_D20.1 Q1_D20.5-6-7-8
NetL1_D21_1: L1_D21.1 Q1_D21.5-6-7-8
NetL1_D22_1: L1_D22.1 Q1_D22.5-6-7-8
NetL1_D23_1: L1_D23.1 Q1_D23.5-6-7-8
NetL1_D24_1: L1_D24.1 Q1_D24.5-6-7-8
NetL1_D25_1: L1_D25.1 Q1_D25.5-6-7-8
NetL1_D26_1: L1_D26.1 Q1_D26.5-6-7-8
NetL1_D27_1: L1_D27.1 Q1_D27.5-6-7-8
NetL2_1: L2.1 U7.5 | length 2.1
  Top Layer w0.5: U7.5@81.05,301.175 81.05,299.212 L2.1@81.126,299.136
NetLED1_r_10_1: LED1_r_10.1 LED2_r_10.2 | length 21.1
  Top Layer w0.2: LED1_r_10.1@7.07,241.65 7.07,240.375 7.645,239.8 24.577,239.8 25.152,240.375 LED2_r_10.2@25.152,241.65
NetLED1_r_11_1: LED1_r_11.1 LED2_r_11.2 | length 21.1
  Top Layer w0.2: LED1_r_11.1@7.07,198.69 7.07,197.415 7.645,196.84 7.645,196.836 24.577,196.836 25.152,197.411 LED2_r_11.2@25.152,198.686
NetLED1_r_12_1: LED1_r_12.1 LED2_r_12.2 | length 19.8
  Top Layer w0.2: LED1_r_12.1@7.07,154.447 7.645,153.872 24.577,153.872 25.152,154.447 LED2_r_12.2@25.152,155.722
NetLED1_r_13_1: LED1_r_13.1 LED2_r_13.2 | length 19.8
  Top Layer w0.2: LED1_r_13.1@7.07,132.965 7.645,132.39 24.577,132.39 25.152,132.965 LED2_r_13.2@25.152,134.24
NetLED1_r_14_1: LED1_r_14.1 LED2_r_14.2 | length 23.7
  Top Layer w0.2: LED1_r_14.1@6.005,91.29 6.005,90.905 LED1_r_14.1@6.67,90.24 ; LED1_r_14.1@6.345,90.565 LED1_r_14.1@6.67,90.24 ; LED1_r_14.1@7.07,91.29 LED1_r_14.1@7.07,90.24 ; LED2_r_14.2@25.152,91.276 25.152,90.001 24.577,89.426 7.574,89.426 7.27,89.73 7.27,90.04 LED1_r_14.1@7.07,90.24 ; LED1_r_14.1@6.67,90.24 LED1_r_14.1@7.07,90.24 ; LED1_r_14.1@6.67,90.24 LED1_r_14.1@7.07,90.24
NetLED1_r_15_1: LED1_r_15.1 LED2_r_15.2 | length 19.8
  Top Layer w0.2: LED1_r_15.1@7.07,47.037 7.645,46.462 24.577,46.462 25.152,47.037 LED2_r_15.2@25.152,48.312
NetLED2_r_10_1: LED2_r_10.1 LED3_r_10.2 | length 10.5
  Top Layer w0.2: LED2_r_10.1@28.552,241.65 28.552,240.375 29.227,239.7 35.218,239.7 35.893,240.375 LED3_r_10.2@35.893,241.65
NetLED2_r_11_1: LED2_r_11.1 LED3_r_11.2 | length 10.5
  Top Layer w0.2: LED2_r_11.1@28.552,198.686 28.552,197.411 29.227,196.736 35.218,196.736 35.893,197.411 LED3_r_11.2@35.893,198.686
NetLED2_r_12_1: LED2_r_12.1 LED3_r_12.2 | length 10.5
  Top Layer w0.2: LED2_r_12.1@28.552,155.722 28.552,154.447 29.227,153.772 35.218,153.772 35.893,154.447 LED3_r_12.2@35.893,155.722
NetLED2_r_13_1: LED2_r_13.1 LED3_r_13.2 | length 10.5
  Top Layer w0.2: LED2_r_13.1@28.552,134.24 28.552,132.965 29.227,132.29 35.218,132.29 35.893,132.965 LED3_r_13.2@35.893,134.24